# Altium PCB ESP32_Demo.PcbDoc (part 3 of 7)
Units mil, origin at the board's own origin, x right, y up, seen from the top; angles counter-clockwise.
Board outline 940.03 x 1085.03 mil, 4 copper layers (TOP1, GND02, MidLayer3, BOTTOM4); 39 components, 58 nets, 242 pads, 201 vias.
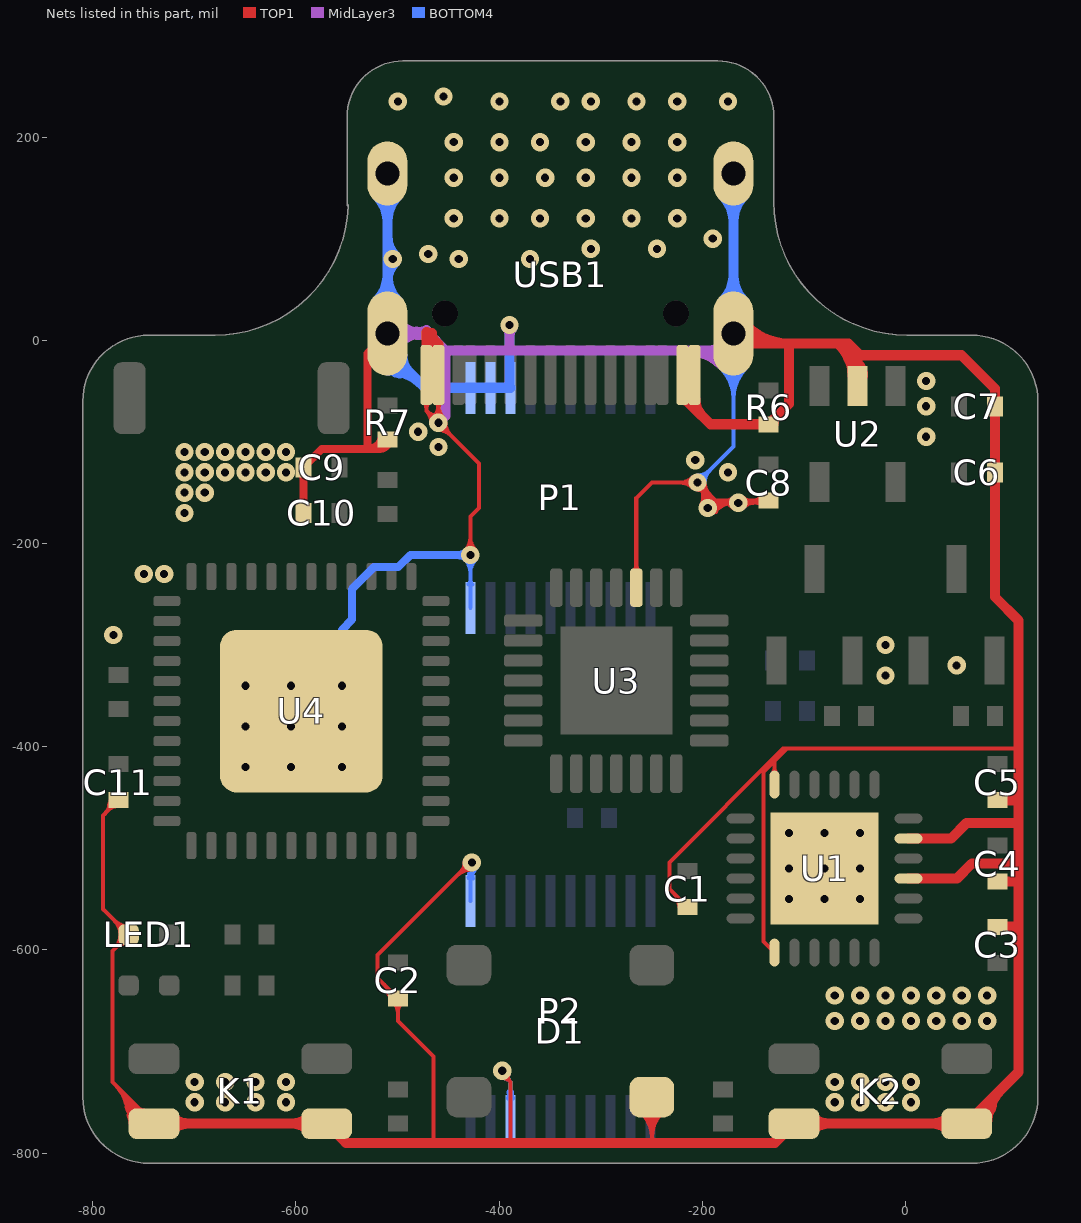
[diagram p5: the nets of this part, all layers, seen from the top]

## Via types
v1: diameter 18, hole 8, TOP1 to BOTTOM4, tented both sides, 201 vias

## Nets (pads, with @x,y where several pads share a name; then routed paths per layer and width w, separated by ;. In a path a pad name is that pad's centre, name@x,y a point inside that pad or via, vN(x,y) a via of type N, cw(c..) or ccw(c..) an arc to the next point about the centre after c; other vN are vias at no path point) (continued)
GND: C1.1 C2.2 C3.1 C4.2 C5.2 C6.1 C7.1 C8.2 C9.1 C10.1 C11.1 D1.3 K1.1 K1.3 K2.1 K2.3 LED1.2 P1.10 P1.11 P1.12 P1.13 P2.8 P2.11 R6.2 R7.2 U1. U1.1 U1.9 U1.11 U1.18 U2.2 U3.3 U4.49 USB1.1 USB1.2 USB1.3 USB1.4 USB1.A1 USB1.A12 USB1.B1 USB1.B12 | length 23851.7
  TOP1 w4: C11.1@-774.77,-452.72 -789.77,-467.72 -789.77,-560 LED1.2@-764.77,-585 ; K1.3@-739.77,-771 -780.77,-730 -780.77,-601 LED1.2@-764.77,-585 ; USB1.A12@-471.66,-34.21 -471.66,-69.42 ; v1@-466.85,-81.18 ccw(c-483.28,-81.04) -471.66,-69.42 ; v1@-464.8,-76.29 ccw(c-476.75,-64.34) -459.85,-64.34 ccw(c-442.95,-64.34) v1@-454.9,-76.29 ; -464.77,-785 -464.77,-705 -499.78,-670 C2.2@-499.78,-647.71 -519.77,-627.72 -519.77,-605.06 -428.36,-513.64 -428.05,-513.94 v1(-426.89,-513.94) ; v1@-459.91,-74.24 cw(c-460.05,-57.81) -471.66,-69.42 ; v1@-459.85,-88.24 cw(c-459.85,-105.13) -447.9,-93.18 cw(c-435.95,-81.24) v1@-452.85,-81.24 ; USB1.B1@-459.85,-34.21 v1(-459.85,-81.24) ; -441.86,-527.14 cw(c-426.89,-542.12) v1@-426.89,-520.94 ; -437.58,-522.87 ccw(c-446.51,-513.94) v1@-433.89,-513.94 ; -435.03,-520.32 cw(c-426.89,-528.46) v1@-426.89,-516.94 ; v1@-433.3,-206.47 ccw(c-445.25,-194.52) -428.35,-194.52 ccw(c-411.46,-194.52) v1@-423.41,-206.47 ; v1(-428.35,-211.42) -428.35,-173.58 -419.77,-165 -419.77,-121.31 v1(-459.85,-81.24) ; v1@-397,-726 cw(c-397,-735.27) -390.45,-728.71 ; v1(-397,-719) -397,-722.16 -388.98,-730.18 ; v1@-390.58,-721.79 ccw(c-383.62,-724.81) -388.99,-730.18 ; -388.98,-789.21 -388.98,-730.18 ; U3.3@-265.09,-243.5 -265.09,-155.32 -249.77,-140 v1(-204.77,-140) ; D1.3@-249.77,-745 -249.77,-785 ; -244.77,-790 -249.77,-785 ; C1.1@-214.77,-557.72 -232.53,-539.96 -232.53,-513.85 -120.52,-401.84 -116.61,-401.84 ; v1@-209.72,-144.95 ccw(c-221.67,-156.9) -221.67,-140 ccw(c-221.67,-123.1) v1@-209.72,-135.05 ; v1@-204.99,-147 cw(c-205.34,-157.88) -195.91,-152.43 ; v1@-204.77,-147 cw(c-204.77,-163.9) -192.82,-151.95 ; v1@-203.52,-146.89 cw(c-202.88,-150.38) -199.8,-148.61 cw(c-196.73,-146.83) v1@-199.44,-144.53 ; v1@-201.07,-161.95 ccw(c-218.35,-153.57) v1(-204.77,-140) ; v1@-200.8,-143.98 cw(c-212.99,-156.17) v1@-197.47,-163.69 ; v1@-198.01,-141.81 ccw(c-186.49,-144.9) -196.82,-150.86 ; v1@-197.77,-140 ccw(c-180.87,-140) -192.82,-151.95 ; -196.82,-147.95 cw(c-207.63,-158.77) v1@-193.87,-165.44 ; v1@-195.48,-164.29 cw(c-179.59,-180.18) -179.59,-157.71 ; v1@-192.65,-167.12 cw(c-169.94,-189.83) v1@-169.94,-157.71 ; v1@-190.27,-167.18 ccw(c-202.28,-161.36) -192.84,-151.93 ; v1@-189.82,-169.95 cw(c-160.28,-199.49) v1@-160.28,-157.71 ; -188.87,-155.9 cw(c-196.92,-163.96) -186.67,-168.93 ; -177.46,-157.71 cw(c-177.46,-172.58) v1@-166.9,-162.11 ; -176.15,-157.71 ccw(c-176.15,-148.62) v1@-169.72,-155.05 ; v1@-169.74,-164.93 ccw(c-187.06,-182.1) -187.06,-157.71 ; v1@-162.65,-162.12 cw(c-152.01,-172.76) -152.01,-157.71 ; v1@-159.82,-164.95 cw(c-142.35,-182.42) C8.2@-142.35,-157.71 ; v1@-159.82,-155.05 ccw(c-153.39,-148.62) -153.39,-157.71 ; -152.28,-160.37 cw(c-148.5,-174.47) C8.2@-140.12,-162.52 ; -147.43,-159.07 ccw(c-149.82,-150.16) C8.2@-141.83,-154.78 ; C8.2@-134.78,-157.71 -187.06,-157.71 ; U1.1@-128.98,-602.68 -139.77,-591.89 -139.77,-425 -128.98,-414.21 ; U1.18@-128.98,-437.32 -128.98,-414.21 ; 109.39,-401.84 -116.61,-401.84 ; -788.16,-466.1 ccw(c-801.55,-452.72) C11.1@-782.61,-452.72 ; -788.16,-466.1 ccw(c-801.55,-452.72) C11.1@-782.61,-452.72 ; -788.16,-466.1 ccw(c-801.55,-452.72) C11.1@-782.61,-452.72 ; -788.16,-466.1 ccw(c-801.55,-452.72) C11.1@-782.61,-452.72 ; -788.16,-466.1 ccw(c-801.55,-452.72) C11.1@-782.61,-452.72 ; -788.16,-466.1 ccw(c-801.55,-452.72) C11.1@-782.61,-452.72 ; C11.1@-783.9,-457.52 cw(c-774.39,-460.07) C11.1@-777.39,-450.69 ; C11.1@-783.9,-457.52 cw(c-774.39,-460.07) C11.1@-777.39,-450.69 ; C11.1@-783.9,-457.52 cw(c-774.39,-460.07) C11.1@-777.39,-450.69 ; C11.1@-783.9,-457.52 cw(c-774.39,-460.07) C11.1@-777.39,-450.69 ; C11.1@-783.9,-457.52 cw(c-774.39,-460.07) C11.1@-777.39,-450.69 ; C11.1@-783.9,-457.52 cw(c-774.39,-460.07) C11.1@-777.39,-450.69 ; C11.1@-783.9,-457.52 cw(c-774.39,-460.07) C11.1@-777.39,-450.69 ; C11.1@-783.9,-457.52 cw(c-774.39,-460.07) C11.1@-777.39,-450.69 ; C11.1@-783.9,-457.52 cw(c-774.39,-460.07) C11.1@-777.39,-450.69 ; C11.1@-783.9,-457.52 cw(c-774.39,-460.07) C11.1@-777.39,-450.69 ; C11.1@-783.9,-457.52 cw(c-774.39,-460.07) C11.1@-777.39,-450.69 ; C11.1@-783.9,-457.52 cw(c-774.39,-460.07) C11.1@-777.39,-450.69 ; C11.1@-783.9,-457.52 cw(c-774.39,-460.07) C11.1@-777.39,-450.69 ; C11.1@-783.9,-457.52 cw(c-774.39,-460.07) C11.1@-777.39,-450.69 ; C11.1@-783.9,-457.52 cw(c-774.39,-460.07) C11.1@-777.39,-450.69 ; -783.41,-461.35 cw(c-776.74,-468.02) C11.1@-776.74,-458.59 ; -783.41,-461.35 cw(c-776.74,-468.02) C11.1@-776.74,-458.59 ; -783.41,-461.35 cw(c-776.74,-468.02) C11.1@-776.74,-458.59 ; -783.41,-461.35 cw(c-776.74,-468.02) C11.1@-776.74,-458.59 ; -783.41,-461.35 cw(c-776.74,-468.02) C11.1@-776.74,-458.59 ; -783.41,-461.35 cw(c-776.74,-468.02) C11.1@-776.74,-458.59 ; C11.1@-781.33,-459.28 ccw(c-787.89,-452.72) C11.1@-778.61,-452.72 ; C11.1@-781.33,-459.28 ccw(c-787.89,-452.72) C11.1@-778.61,-452.72 ; C11.1@-781.33,-459.28 ccw(c-787.89,-452.72) C11.1@-778.61,-452.72 ; C11.1@-781.33,-459.28 ccw(c-787.89,-452.72) C11.1@-778.61,-452.72 ; C11.1@-781.33,-459.28 ccw(c-787.89,-452.72) C11.1@-778.61,-452.72 ; C11.1@-781.33,-459.28 ccw(c-787.89,-452.72) C11.1@-778.61,-452.72 ; -779.04,-731.74 cw(c-818.3,-771) K1.3@-762.77,-771 ; -779.04,-731.74 cw(c-818.3,-771) K1.3@-762.77,-771 ; -779.04,-731.74 cw(c-818.3,-771) K1.3@-762.77,-771 ; -779.04,-731.74 cw(c-818.3,-771) K1.3@-762.77,-771 ; -779.04,-731.74 cw(c-818.3,-771) K1.3@-762.77,-771 ; -779.04,-731.74 cw(c-818.3,-771) K1.3@-762.77,-771 ; -778.43,-598.66 cw(c-764.77,-612.31) LED1.2@-764.77,-593 ; -778.43,-598.66 ccw(c-792.09,-585) LED1.2@-772.77,-585 ; -778.43,-598.66 cw(c-764.77,-612.31) LED1.2@-764.77,-593 ; -778.43,-598.66 ccw(c-792.09,-585) LED1.2@-772.77,-585 ; -778.43,-598.66 cw(c-764.77,-612.31) LED1.2@-764.77,-593 ; -778.43,-598.66 ccw(c-792.09,-585) LED1.2@-772.77,-585 ; -778.43,-598.66 cw(c-764.77,-612.31) LED1.2@-764.77,-593 ; -778.43,-598.66 ccw(c-792.09,-585) LED1.2@-772.77,-585 ; -778.43,-598.66 cw(c-764.77,-612.31) LED1.2@-764.77,-593 ; -778.43,-598.66 ccw(c-792.09,-585) LED1.2@-772.77,-585 ; -778.43,-598.66 ccw(c-792.09,-585) LED1.2@-772.77,-585 ; -778.43,-598.66 cw(c-764.77,-612.31) LED1.2@-764.77,-593 ; -778.43,-571.34 cw(c-792.09,-585) LED1.2@-772.77,-585 ; -778.43,-571.34 ccw(c-764.77,-557.69) LED1.2@-764.77,-577 ; -778.43,-571.34 cw(c-792.09,-585) LED1.2@-772.77,-585 ; -778.43,-571.34 ccw(c-764.77,-557.69) LED1.2@-764.77,-577 ; -778.43,-571.34 cw(c-792.09,-585) LED1.2@-772.77,-585 ; -778.43,-571.34 ccw(c-764.77,-557.69) LED1.2@-764.77,-577 ; -778.43,-571.34 cw(c-792.09,-585) LED1.2@-772.77,-585 ; -778.43,-571.34 ccw(c-764.77,-557.69) LED1.2@-764.77,-577 ; -778.43,-571.34 cw(c-792.09,-585) LED1.2@-772.77,-585 ; -778.43,-571.34 ccw(c-764.77,-557.69) LED1.2@-764.77,-577 ; -778.43,-571.34 ccw(c-764.77,-557.69) LED1.2@-764.77,-577 ; -778.43,-571.34 cw(c-792.09,-585) LED1.2@-772.77,-585 ; -775.47,-595.08 cw(c-761.97,-598.7) LED1.2@-764.77,-585 ; -775.47,-595.08 cw(c-761.97,-598.7) LED1.2@-764.77,-585 ; -775.47,-595.08 cw(c-761.97,-598.7) LED1.2@-764.77,-585 ; -775.47,-595.08 cw(c-761.97,-598.7) LED1.2@-764.77,-585 ; -775.47,-595.08 cw(c-761.97,-598.7) LED1.2@-764.77,-585 ; -775.47,-595.08 cw(c-761.97,-598.7) LED1.2@-764.77,-585 ; -775.47,-595.08 cw(c-761.97,-598.7) LED1.2@-764.77,-585 ; -775.47,-595.08 cw(c-761.97,-598.7) LED1.2@-764.77,-585 ; -775.47,-595.08 cw(c-761.97,-598.7) LED1.2@-764.77,-585 ; -775.47,-595.08 cw(c-761.97,-598.7) LED1.2@-764.77,-585 ; -775.47,-595.08 cw(c-761.97,-598.7) LED1.2@-764.77,-585 ; -775.47,-595.08 cw(c-761.97,-598.7) LED1.2@-764.77,-585 ; -775.47,-595.08 cw(c-761.97,-598.7) LED1.2@-764.77,-585 ; -775.47,-595.08 cw(c-761.97,-598.7) LED1.2@-764.77,-585 ; -775.47,-595.08 cw(c-761.97,-598.7) LED1.2@-764.77,-585 ; -775.47,-574.92 ccw(c-761.97,-571.3) LED1.2@-764.77,-585 ; -775.47,-574.92 ccw(c-761.97,-571.3) LED1.2@-764.77,-585 ; -775.47,-574.92 ccw(c-761.97,-571.3) LED1.2@-764.77,-585 ; -775.47,-574.92 ccw(c-761.97,-571.3) LED1.2@-764.77,-585 ; -775.47,-574.92 ccw(c-761.97,-571.3) LED1.2@-764.77,-585 ; -775.47,-574.92 ccw(c-761.97,-571.3) LED1.2@-764.77,-585 ; -775.47,-574.92 ccw(c-761.97,-571.3) LED1.2@-764.77,-585 ; -775.47,-574.92 ccw(c-761.97,-571.3) LED1.2@-764.77,-585 ; -775.47,-574.92 ccw(c-761.97,-571.3) LED1.2@-764.77,-585 ; -775.47,-574.92 ccw(c-761.97,-571.3) LED1.2@-764.77,-585 ; -775.47,-574.92 ccw(c-761.97,-571.3) LED1.2@-764.77,-585 ; -775.47,-574.92 ccw(c-761.97,-571.3) LED1.2@-764.77,-585 ; -775.47,-574.92 ccw(c-761.97,-571.3) LED1.2@-764.77,-585 ; -775.47,-574.92 ccw(c-761.97,-571.3) LED1.2@-764.77,-585 ; -775.47,-574.92 ccw(c-761.97,-571.3) LED1.2@-764.77,-585 ; -774.85,-595.7 ccw(c-778.47,-582.19) LED1.2@-764.77,-585 ; -774.85,-595.7 ccw(c-778.47,-582.19) LED1.2@-764.77,-585 ; -774.85,-595.7 ccw(c-778.47,-582.19) LED1.2@-764.77,-585 ; -774.85,-595.7 ccw(c-778.47,-582.19) LED1.2@-764.77,-585 ; -774.85,-595.7 ccw(c-778.47,-582.19) LED1.2@-764.77,-585 ; -774.85,-595.7 ccw(c-778.47,-582.19) LED1.2@-764.77,-585 ; -774.85,-595.7 ccw(c-778.47,-582.19) LED1.2@-764.77,-585 ; -774.85,-595.7 ccw(c-778.47,-582.19) LED1.2@-764.77,-585 ; -774.85,-595.7 ccw(c-778.47,-582.19) LED1.2@-764.77,-585 ; -774.85,-595.7 ccw(c-778.47,-582.19) LED1.2@-764.77,-585 ; -774.85,-595.7 ccw(c-778.47,-582.19) LED1.2@-764.77,-585 ; -774.85,-595.7 ccw(c-778.47,-582.19) LED1.2@-764.77,-585 ; -774.85,-595.7 ccw(c-778.47,-582.19) LED1.2@-764.77,-585 ; -774.85,-595.7 ccw(c-778.47,-582.19) LED1.2@-764.77,-585 ; -774.85,-595.7 ccw(c-778.47,-582.19) LED1.2@-764.77,-585 ; -774.85,-574.3 cw(c-778.47,-587.81) LED1.2@-764.77,-585 ; -774.85,-574.3 cw(c-778.47,-587.81) LED1.2@-764.77,-585 ; -774.85,-574.3 cw(c-778.47,-587.81) LED1.2@-764.77,-585 ; -774.85,-574.3 cw(c-778.47,-587.81) LED1.2@-764.77,-585 ; -774.85,-574.3 cw(c-778.47,-587.81) LED1.2@-764.77,-585 ; -774.85,-574.3 cw(c-778.47,-587.81) LED1.2@-764.77,-585 ; -774.85,-574.3 cw(c-778.47,-587.81) LED1.2@-764.77,-585 ; -774.85,-574.3 cw(c-778.47,-587.81) LED1.2@-764.77,-585 ; -774.85,-574.3 cw(c-778.47,-587.81) LED1.2@-764.77,-585 ; -774.85,-574.3 cw(c-778.47,-587.81) LED1.2@-764.77,-585 ; -774.85,-574.3 cw(c-778.47,-587.81) LED1.2@-764.77,-585 ; -774.85,-574.3 cw(c-778.47,-587.81) LED1.2@-764.77,-585 ; -774.85,-574.3 cw(c-778.47,-587.81) LED1.2@-764.77,-585 ; -774.85,-574.3 cw(c-778.47,-587.81) LED1.2@-764.77,-585 ; -774.85,-574.3 cw(c-778.47,-587.81) LED1.2@-764.77,-585 ; -772.21,-738.56 cw(c-804.64,-771) K1.3@-758.77,-771 ; -772.21,-738.56 cw(c-804.64,-771) K1.3@-758.77,-771 ; -772.21,-738.56 cw(c-804.64,-771) K1.3@-758.77,-771 ; -772.21,-738.56 cw(c-804.64,-771) K1.3@-758.77,-771 ; -772.21,-738.56 cw(c-804.64,-771) K1.3@-758.77,-771 ; -772.21,-738.56 cw(c-804.64,-771) K1.3@-758.77,-771 ; -768.93,-746.35 ccw(c-734.23,-737.69) K1.3@-749.35,-770.09 ; -768.93,-746.35 ccw(c-734.23,-737.69) K1.3@-749.35,-770.09 ; -768.93,-746.35 ccw(c-734.23,-737.69) K1.3@-749.35,-770.09 ; -768.93,-746.35 ccw(c-734.23,-737.69) K1.3@-749.35,-770.09 ; -768.93,-746.35 ccw(c-734.23,-737.69) K1.3@-749.35,-770.09 ; -768.93,-746.35 ccw(c-734.23,-737.69) K1.3@-749.35,-770.09 ; -768.93,-746.35 ccw(c-734.23,-737.69) K1.3@-749.35,-770.09 ; -768.93,-746.35 ccw(c-734.23,-737.69) K1.3@-749.35,-770.09 ; -768.93,-746.35 ccw(c-734.23,-737.69) K1.3@-749.35,-770.09 ; -768.93,-746.35 ccw(c-734.23,-737.69) K1.3@-749.35,-770.09 ; -768.93,-746.35 ccw(c-734.23,-737.69) K1.3@-749.35,-770.09 ; -768.93,-746.35 ccw(c-734.23,-737.69) K1.3@-749.35,-770.09 ; -768.93,-746.35 ccw(c-734.23,-737.69) K1.3@-749.35,-770.09 ; -768.93,-746.35 ccw(c-734.23,-737.69) K1.3@-749.35,-770.09 ; -768.93,-746.35 ccw(c-734.23,-737.69) K1.3@-749.35,-770.09 ; -766.89,-754.49 ccw(c-738.8,-747.47) K1.3@-751.04,-773.72 ; -766.89,-754.49 ccw(c-738.8,-747.47) K1.3@-751.04,-773.72 ; -766.89,-754.49 ccw(c-738.8,-747.47) K1.3@-751.04,-773.72 ; -766.89,-754.49 ccw(c-738.8,-747.47) K1.3@-751.04,-773.72 ; -766.89,-754.49 ccw(c-738.8,-747.47) K1.3@-751.04,-773.72 ; -766.89,-754.49 ccw(c-738.8,-747.47) K1.3@-751.04,-773.72 ; -766.89,-754.49 ccw(c-738.8,-747.47) K1.3@-751.04,-773.72 ; -766.89,-754.49 ccw(c-738.8,-747.47) K1.3@-751.04,-773.72 ; -766.89,-754.49 ccw(c-738.8,-747.47) K1.3@-751.04,-773.72 ; -766.89,-754.49 ccw(c-738.8,-747.47) K1.3@-751.04,-773.72 ; -766.89,-754.49 ccw(c-738.8,-747.47) K1.3@-751.04,-773.72 ; -766.89,-754.49 ccw(c-738.8,-747.47) K1.3@-751.04,-773.72 ; -766.89,-754.49 ccw(c-738.8,-747.47) K1.3@-751.04,-773.72 ; -766.89,-754.49 ccw(c-738.8,-747.47) K1.3@-751.04,-773.72 ; -766.89,-754.49 ccw(c-738.8,-747.47) K1.3@-751.04,-773.72 ; -765.38,-745.39 cw(c-790.99,-771) K1.3@-754.77,-771 ; -765.38,-745.39 cw(c-790.99,-771) K1.3@-754.77,-771 ; -765.38,-745.39 cw(c-790.99,-771) K1.3@-754.77,-771 ; -765.38,-745.39 cw(c-790.99,-771) K1.3@-754.77,-771 ; -765.38,-745.39 cw(c-790.99,-771) K1.3@-754.77,-771 ; -765.38,-745.39 cw(c-790.99,-771) K1.3@-754.77,-771 ; -764.86,-762.63 ccw(c-743.36,-757.26) K1.3@-752.73,-777.34 ; -764.86,-762.63 ccw(c-743.36,-757.26) K1.3@-752.73,-777.34 ; -764.86,-762.63 ccw(c-743.36,-757.26) K1.3@-752.73,-777.34 ; -764.86,-762.63 ccw(c-743.36,-757.26) K1.3@-752.73,-777.34 ; -764.86,-762.63 ccw(c-743.36,-757.26) K1.3@-752.73,-777.34 ; -764.86,-762.63 ccw(c-743.36,-757.26) K1.3@-752.73,-777.34 ; -764.86,-762.63 ccw(c-743.36,-757.26) K1.3@-752.73,-777.34 ; -764.86,-762.63 ccw(c-743.36,-757.26) K1.3@-752.73,-777.34 ; -764.86,-762.63 ccw(c-743.36,-757.26) K1.3@-752.73,-777.34 ; -764.86,-762.63 ccw(c-743.36,-757.26) K1.3@-752.73,-777.34 ; -764.86,-762.63 ccw(c-743.36,-757.26) K1.3@-752.73,-777.34 ; -764.86,-762.63 ccw(c-743.36,-757.26) K1.3@-752.73,-777.34 ; -764.86,-762.63 ccw(c-743.36,-757.26) K1.3@-752.73,-777.34 ; -764.86,-762.63 ccw(c-743.36,-757.26) K1.3@-752.73,-777.34 ; -764.86,-762.63 ccw(c-743.36,-757.26) K1.3@-752.73,-777.34 ; -764.89,-748.17 ccw(c-739.33,-741.33) K1.3@-748.11,-766.28 ; -764.89,-748.17 ccw(c-739.33,-741.33) K1.3@-748.11,-766.28 ; -764.89,-748.17 ccw(c-739.33,-741.33) K1.3@-748.11,-766.28 ; -764.89,-748.17 ccw(c-739.33,-741.33) K1.3@-748.11,-766.28 ; -764.89,-748.17 ccw(c-739.33,-741.33) K1.3@-748.11,-766.28 ; -764.89,-748.17 ccw(c-739.33,-741.33) K1.3@-748.11,-766.28 ; -764.89,-748.17 ccw(c-739.33,-741.33) K1.3@-748.11,-766.28 ; -764.89,-748.17 ccw(c-739.33,-741.33) K1.3@-748.11,-766.28 ; -764.89,-748.17 ccw(c-739.33,-741.33) K1.3@-748.11,-766.28 ; -764.89,-748.17 ccw(c-739.33,-741.33) K1.3@-748.11,-766.28 ; -764.89,-748.17 ccw(c-739.33,-741.33) K1.3@-748.11,-766.28 ; -764.89,-748.17 ccw(c-739.33,-741.33) K1.3@-748.11,-766.28 ; -764.89,-748.17 ccw(c-739.33,-741.33) K1.3@-748.11,-766.28 ; -764.89,-748.17 ccw(c-739.33,-741.33) K1.3@-748.11,-766.28 ; -764.89,-748.17 ccw(c-739.33,-741.33) K1.3@-748.11,-766.28 ; -763.66,-758.08 cw(c-768.05,-763.31) K1.3@-761.76,-765.96 ; -763.66,-758.08 ccw(c-758.57,-752.02) K1.3@-755.24,-759.2 ; -763.66,-758.08 cw(c-768.05,-763.31) K1.3@-761.76,-765.96 ; -763.66,-758.08 ccw(c-758.57,-752.02) K1.3@-755.24,-759.2 ; -763.66,-758.08 cw(c-768.05,-763.31) K1.3@-761.76,-765.96 ; -763.66,-758.08 ccw(c-758.57,-752.02) K1.3@-755.24,-759.2 ; -763.66,-758.08 cw(c-768.05,-763.31) K1.3@-761.76,-765.96 ; -763.66,-758.08 ccw(c-758.57,-752.02) K1.3@-755.24,-759.2 ; -763.66,-758.08 cw(c-768.05,-763.31) K1.3@-761.76,-765.96 ; -763.66,-758.08 ccw(c-758.57,-752.02) K1.3@-755.24,-759.2 ; -763.66,-758.08 cw(c-768.05,-763.31) K1.3@-761.76,-765.96 ; -763.66,-758.08 ccw(c-758.57,-752.02) K1.3@-755.24,-759.2 ; -763.66,-758.08 cw(c-768.05,-763.31) K1.3@-761.76,-765.96 ; -763.66,-758.08 ccw(c-758.57,-752.02) K1.3@-755.24,-759.2 ; -763.66,-758.08 cw(c-768.05,-763.31) K1.3@-761.76,-765.96 ; -763.66,-758.08 ccw(c-758.57,-752.02) K1.3@-755.24,-759.2 ; -763.66,-758.08 cw(c-768.05,-763.31) K1.3@-761.76,-765.96 ; -763.66,-758.08 ccw(c-758.57,-752.02) K1.3@-755.24,-759.2 ; -763.66,-758.08 cw(c-768.05,-763.31) K1.3@-761.76,-765.96 ; -763.66,-758.08 ccw(c-758.57,-752.02) K1.3@-755.24,-759.2 ; -763.66,-758.08 cw(c-768.05,-763.31) K1.3@-761.76,-765.96 ; -763.66,-758.08 ccw(c-758.57,-752.02) K1.3@-755.24,-759.2 ; -763.66,-758.08 cw(c-768.05,-763.31) K1.3@-761.76,-765.96 ; -763.66,-758.08 ccw(c-758.57,-752.02) K1.3@-755.24,-759.2 ; -763.66,-758.08 cw(c-768.05,-763.31) K1.3@-761.76,-765.96 ; -763.66,-758.08 ccw(c-758.57,-752.02) K1.3@-755.24,-759.2 ; -763.66,-758.08 cw(c-768.05,-763.31) K1.3@-761.76,-765.96 ; -763.66,-758.08 ccw(c-758.57,-752.02) K1.3@-755.24,-759.2 ; -763.66,-758.08 cw(c-768.05,-763.31) K1.3@-761.76,-765.96 ; -763.66,-758.08 ccw(c-758.57,-752.02) K1.3@-755.24,-759.2 ; -763.66,-758.08 cw(c-768.05,-763.31) K1.3@-761.76,-765.96 ; -763.66,-758.08 ccw(c-758.57,-752.02) K1.3@-755.24,-759.2 ; -763.66,-758.08 cw(c-768.05,-763.31) K1.3@-761.76,-765.96 ; -763.66,-758.08 ccw(c-758.57,-752.02) K1.3@-755.24,-759.2 ; -763.66,-758.08 cw(c-768.05,-763.31) K1.3@-761.76,-765.96 ; -763.66,-758.08 ccw(c-758.57,-752.02) K1.3@-755.24,-759.2 ; -763.66,-758.08 cw(c-768.05,-763.31) K1.3@-761.76,-765.96 ; -763.66,-758.08 ccw(c-758.57,-752.02) K1.3@-755.24,-759.2 ; -763.66,-758.08 cw(c-768.05,-763.31) K1.3@-761.76,-765.96 ; -763.66,-758.08 ccw(c-758.57,-752.02) K1.3@-755.24,-759.2 ; -762.93,-755.5 ccw(c-742.38,-749.99) K1.3@-749.44,-770.06 ; -762.93,-755.5 ccw(c-742.38,-749.99) K1.3@-749.44,-770.06 ; -762.93,-755.5 ccw(c-742.38,-749.99) K1.3@-749.44,-770.06 ; -762.93,-755.5 ccw(c-742.38,-749.99) K1.3@-749.44,-770.06 ; -762.93,-755.5 ccw(c-742.38,-749.99) K1.3@-749.44,-770.06 ; -762.93,-755.5 ccw(c-742.38,-749.99) K1.3@-749.44,-770.06 ; -762.93,-755.5 ccw(c-742.38,-749.99) K1.3@-749.44,-770.06 ; -762.93,-755.5 ccw(c-742.38,-749.99) K1.3@-749.44,-770.06 ; -762.93,-755.5 ccw(c-742.38,-749.99) K1.3@-749.44,-770.06 ; -762.93,-755.5 ccw(c-742.38,-749.99) K1.3@-749.44,-770.06 ; -762.93,-755.5 ccw(c-742.38,-749.99) K1.3@-749.44,-770.06 ; -762.93,-755.5 ccw(c-742.38,-749.99) K1.3@-749.44,-770.06 ; -762.93,-755.5 ccw(c-742.38,-749.99) K1.3@-749.44,-770.06 ; -762.93,-755.5 ccw(c-742.38,-749.99) K1.3@-749.44,-770.06 ; -762.93,-755.5 ccw(c-742.38,-749.99) K1.3@-749.44,-770.06 ; K1.3@-761.03,-764.5 ccw(c-773.93,-757.05) -759.54,-753.2 ; K1.3@-761.03,-764.5 ccw(c-773.93,-757.05) -759.54,-753.2 ; K1.3@-761.03,-764.5 ccw(c-773.93,-757.05) -759.54,-753.2 ; K1.3@-761.03,-764.5 ccw(c-773.93,-757.05) -759.54,-753.2 ; K1.3@-761.03,-764.5 ccw(c-773.93,-757.05) -759.54,-753.2 ; K1.3@-761.03,-764.5 ccw(c-773.93,-757.05) -759.54,-753.2 ; K1.3@-761.03,-764.5 ccw(c-773.93,-757.05) -759.54,-753.2 ; K1.3@-761.03,-764.5 ccw(c-773.93,-757.05) -759.54,-753.2 ; K1.3@-761.03,-764.5 ccw(c-773.93,-757.05) -759.54,-753.2 ; K1.3@-761.03,-764.5 ccw(c-773.93,-757.05) -759.54,-753.2 ; K1.3@-761.03,-764.5 ccw(c-773.93,-757.05) -759.54,-753.2 ; K1.3@-761.03,-764.5 ccw(c-773.93,-757.05) -759.54,-753.2 ; K1.3@-761.03,-764.5 ccw(c-773.93,-757.05) -759.54,-753.2 ; K1.3@-761.03,-764.5 ccw(c-773.93,-757.05) -759.54,-753.2 ; K1.3@-761.03,-764.5 ccw(c-773.93,-757.05) -759.54,-753.2 ; -760.14,-750.97 ccw(c-745.2,-746.97) K1.3@-748.09,-762.16 ; -760.14,-750.97 ccw(c-745.2,-746.97) K1.3@-748.09,-762.16 ; -760.14,-750.97 ccw(c-745.2,-746.97) K1.3@-748.09,-762.16 ; -760.14,-750.97 ccw(c-745.2,-746.97) K1.3@-748.09,-762.16 ; -760.14,-750.97 ccw(c-745.2,-746.97) K1.3@-748.09,-762.16 ; -760.14,-750.97 ccw(c-745.2,-746.97) K1.3@-748.09,-762.16 ; -760.14,-750.97 ccw(c-745.2,-746.97) K1.3@-748.09,-762.16 ; -760.14,-750.97 ccw(c-745.2,-746.97) K1.3@-748.09,-762.16 ; -760.14,-750.97 ccw(c-745.2,-746.97) K1.3@-748.09,-762.16 ; -760.14,-750.97 ccw(c-745.2,-746.97) K1.3@-748.09,-762.16 ; -760.14,-750.97 ccw(c-745.2,-746.97) K1.3@-748.09,-762.16 ; -760.14,-750.97 ccw(c-745.2,-746.97) K1.3@-748.09,-762.16 ; -760.14,-750.97 ccw(c-745.2,-746.97) K1.3@-748.09,-762.16 ; -760.14,-750.97 ccw(c-745.2,-746.97) K1.3@-748.09,-762.16 ; -760.14,-750.97 ccw(c-745.2,-746.97) K1.3@-748.09,-762.16 ; -758.55,-752.22 cw(c-777.33,-771) K1.3@-750.77,-771 ; -758.55,-752.22 cw(c-777.33,-771) K1.3@-750.77,-771 ; -758.55,-752.22 cw(c-777.33,-771) K1.3@-750.77,-771 ; -758.55,-752.22 cw(c-777.33,-771) K1.3@-750.77,-771 ; -758.55,-752.22 cw(c-777.33,-771) K1.3@-750.77,-771 ; -758.55,-752.22 cw(c-777.33,-771) K1.3@-750.77,-771 ; K1.3@-758.49,-757.12 ccw(c-746.52,-753.92) K1.3@-748.84,-766.09 ; K1.3@-758.49,-757.12 ccw(c-746.52,-753.92) K1.3@-748.84,-766.09 ; K1.3@-758.49,-757.12 ccw(c-746.52,-753.92) K1.3@-748.84,-766.09 ; K1.3@-758.49,-757.12 ccw(c-746.52,-753.92) K1.3@-748.84,-766.09 ; K1.3@-758.49,-757.12 ccw(c-746.52,-753.92) K1.3@-748.84,-766.09 ; K1.3@-758.49,-757.12 ccw(c-746.52,-753.92) K1.3@-748.84,-766.09 ; K1.3@-758.49,-757.12 ccw(c-746.52,-753.92) K1.3@-748.84,-766.09 ; K1.3@-758.49,-757.12 ccw(c-746.52,-753.92) K1.3@-748.84,-766.09 ; K1.3@-758.49,-757.12 ccw(c-746.52,-753.92) K1.3@-748.84,-766.09 ; K1.3@-758.49,-757.12 ccw(c-746.52,-753.92) K1.3@-748.84,-766.09 ; K1.3@-758.49,-757.12 ccw(c-746.52,-753.92) K1.3@-748.84,-766.09 ; K1.3@-758.49,-757.12 ccw(c-746.52,-753.92) K1.3@-748.84,-766.09 ; K1.3@-758.49,-757.12 ccw(c-746.52,-753.92) K1.3@-748.84,-766.09 ; K1.3@-758.49,-757.12 ccw(c-746.52,-753.92) K1.3@-748.84,-766.09 ; K1.3@-758.49,-757.12 ccw(c-746.52,-753.92) K1.3@-748.84,-766.09 ; -754.89,-755.88 ccw(c-749.77,-750.76) K1.3@-749.77,-758 ; -754.89,-755.88 ccw(c-749.77,-750.76) K1.3@-749.77,-758 ; -754.89,-755.88 ccw(c-749.77,-750.76) K1.3@-749.77,-758 ; -754.89,-755.88 ccw(c-749.77,-750.76) K1.3@-749.77,-758 ; -754.89,-755.88 ccw(c-749.77,-750.76) K1.3@-749.77,-758 ; -754.89,-755.88 ccw(c-749.77,-750.76) K1.3@-749.77,-758 ; -513.16,-634.33 cw(c-526.55,-647.71) C2.2@-507.62,-647.71 ; -513.16,-634.33 cw(c-526.55,-647.71) C2.2@-507.62,-647.71 ; -513.16,-634.33 cw(c-526.55,-647.71) C2.2@-507.62,-647.71 ; -513.16,-634.33 cw(c-526.55,-647.71) C2.2@-507.62,-647.71 ; -513.16,-634.33 cw(c-526.55,-647.71) C2.2@-507.62,-647.71 ; -513.16,-634.33 cw(c-526.55,-647.71) C2.2@-507.62,-647.71 ; C2.2@-508.91,-642.91 ccw(c-499.39,-640.36) C2.2@-502.39,-649.74 ; C2.2@-508.91,-642.91 ccw(c-499.39,-640.36) C2.2@-502.39,-649.74 ; C2.2@-508.91,-642.91 ccw(c-499.39,-640.36) C2.2@-502.39,-649.74 ; C2.2@-508.91,-642.91 ccw(c-499.39,-640.36) C2.2@-502.39,-649.74 ; C2.2@-508.91,-642.91 ccw(c-499.39,-640.36) C2.2@-502.39,-649.74 ; C2.2@-508.91,-642.91 ccw(c-499.39,-640.36) C2.2@-502.39,-649.74 ; C2.2@-508.91,-642.91 ccw(c-499.39,-640.36) C2.2@-502.39,-649.74 ; C2.2@-508.91,-642.91 ccw(c-499.39,-640.36) C2.2@-502.39,-649.74 ; C2.2@-508.91,-642.91 ccw(c-499.39,-640.36) C2.2@-502.39,-649.74 ; C2.2@-508.91,-642.91 ccw(c-499.39,-640.36) C2.2@-502.39,-649.74 ; C2.2@-508.91,-642.91 ccw(c-499.39,-640.36) C2.2@-502.39,-649.74 ; C2.2@-508.91,-642.91 ccw(c-499.39,-640.36) C2.2@-502.39,-649.74 ; C2.2@-508.91,-642.91 ccw(c-499.39,-640.36) C2.2@-502.39,-649.74 ; C2.2@-508.91,-642.91 ccw(c-499.39,-640.36) C2.2@-502.39,-649.74 ; C2.2@-508.91,-642.91 ccw(c-499.39,-640.36) C2.2@-502.39,-649.74 ; -508.41,-639.08 ccw(c-501.74,-632.41) C2.2@-501.74,-641.84 ; -508.41,-639.08 ccw(c-501.74,-632.41) C2.2@-501.74,-641.84 ; -508.41,-639.08 ccw(c-501.74,-632.41) C2.2@-501.74,-641.84 ; -508.41,-639.08 ccw(c-501.74,-632.41) C2.2@-501.74,-641.84 ; -508.41,-639.08 ccw(c-501.74,-632.41) C2.2@-501.74,-641.84 ; -508.41,-639.08 ccw(c-501.74,-632.41) C2.2@-501.74,-641.84 ; C2.2@-506.34,-641.15 cw(c-512.89,-647.71) C2.2@-503.62,-647.71 ; C2.2@-506.34,-641.15 cw(c-512.89,-647.71) C2.2@-503.62,-647.71 ; C2.2@-506.34,-641.15 cw(c-512.89,-647.71) C2.2@-503.62,-647.71 ; C2.2@-506.34,-641.15 cw(c-512.89,-647.71) C2.2@-503.62,-647.71 ; C2.2@-506.34,-641.15 cw(c-512.89,-647.71) C2.2@-503.62,-647.71 ; C2.2@-506.34,-641.15 cw(c-512.89,-647.71) C2.2@-503.62,-647.71 ; C2.2@-503.93,-651.87 cw(c-513.96,-661.89) -499.78,-661.89 ; C2.2@-503.93,-651.87 cw(c-513.96,-661.89) -499.78,-661.89 ; C2.2@-503.93,-651.87 cw(c-513.96,-661.89) -499.78,-661.89 ; C2.2@-503.93,-651.87 cw(c-513.96,-661.89) -499.78,-661.89 ; C2.2@-503.93,-651.87 cw(c-513.96,-661.89) -499.78,-661.89 ; C2.2@-503.93,-651.87 cw(c-513.96,-661.89) -499.78,-661.89 ; -499.78,-661.89 cw(c-485.59,-661.89) C2.2@-495.62,-651.87 ; -499.78,-661.89 cw(c-485.59,-661.89) C2.2@-495.62,-651.87 ; -499.78,-661.89 cw(c-485.59,-661.89) C2.2@-495.62,-651.87 ; -499.78,-661.89 cw(c-485.59,-661.89) C2.2@-495.62,-651.87 ; -499.78,-661.89 cw(c-485.59,-661.89) C2.2@-495.62,-651.87 ; -499.78,-661.89 cw(c-485.59,-661.89) C2.2@-495.62,-651.87 ; USB1.A12@-474.42,-60.6 cw(c-481.09,-67.26) -471.66,-67.26 ; USB1.A12@-474.42,-60.6 cw(c-481.09,-67.26) -471.66,-67.26 ; USB1.A12@-474.42,-60.6 cw(c-481.09,-67.26) -471.66,-67.26 ; USB1.A12@-474.42,-60.6 cw(c-481.09,-67.26) -471.66,-67.26 ; USB1.A12@-474.42,-60.6 cw(c-481.09,-67.26) -471.66,-67.26 ; USB1.A12@-474.42,-60.6 cw(c-481.09,-67.26) -471.66,-67.26 ; -471.66,-69.42 v1(-459.85,-81.24) ; -471.66,-67.26 cw(c-462.23,-67.26) USB1.A12@-468.9,-60.6 ; -471.66,-67.26 cw(c-462.23,-67.26) USB1.A12@-468.9,-60.6 ; -471.66,-67.26 cw(c-462.23,-67.26) USB1.A12@-468.9,-60.6 ; -471.66,-67.26 cw(c-462.23,-67.26) USB1.A12@-468.9,-60.6 ; -471.66,-67.26 cw(c-462.23,-67.26) USB1.A12@-468.9,-60.6 ; -471.66,-67.26 cw(c-462.23,-67.26) USB1.A12@-468.9,-60.6 ; USB1.B1@-462.61,-60.6 cw(c-469.28,-67.26) -459.85,-67.26 ; USB1.B1@-462.61,-60.6 cw(c-469.28,-67.26) -459.85,-67.26 ; USB1.B1@-462.61,-60.6 cw(c-469.28,-67.26) -459.85,-67.26 ; USB1.B1@-462.61,-60.6 cw(c-469.28,-67.26) -459.85,-67.26 ; USB1.B1@-462.61,-60.6 cw(c-469.28,-67.26) -459.85,-67.26 ; USB1.B1@-462.61,-60.6 cw(c-469.28,-67.26) -459.85,-67.26 ; -459.85,-67.26 cw(c-450.42,-67.26) USB1.B1@-457.09,-60.6 ; -459.85,-67.26 cw(c-450.42,-67.26) USB1.B1@-457.09,-60.6 ; -459.85,-67.26 cw(c-450.42,-67.26) USB1.B1@-457.09,-60.6 ; -459.85,-67.26 cw(c-450.42,-67.26) USB1.B1@-457.09,-60.6 ; -459.85,-67.26 cw(c-450.42,-67.26) USB1.B1@-457.09,-60.6 ; -459.85,-67.26 cw(c-450.42,-67.26) USB1.B1@-457.09,-60.6 ; U3.3@-267.92,-227.67 ccw(c-274.74,-220.84) -265.09,-220.84 ; U3.3@-267.92,-227.67 ccw(c-274.74,-220.84) -265.09,-220.84 ; U3.3@-267.92,-227.67 ccw(c-274.74,-220.84) -265.09,-220.84 ; U3.3@-267.92,-227.67 ccw(c-274.74,-220.84) -265.09,-220.84 ; U3.3@-267.92,-227.67 ccw(c-274.74,-220.84) -265.09,-220.84 ; U3.3@-267.92,-227.67 ccw(c-274.74,-220.84) -265.09,-220.84 ; -265.09,-220.84 ccw(c-255.43,-220.84) U3.3@-262.26,-227.67 ; -265.09,-220.84 ccw(c-255.43,-220.84) U3.3@-262.26,-227.67 ; -265.09,-220.84 ccw(c-255.43,-220.84) U3.3@-262.26,-227.67 ; -265.09,-220.84 ccw(c-255.43,-220.84) U3.3@-262.26,-227.67 ; -265.09,-220.84 ccw(c-255.43,-220.84) U3.3@-262.26,-227.67 ; -265.09,-220.84 ccw(c-255.43,-220.84) U3.3@-262.26,-227.67 ; D1.3@-261.71,-758.47 cw(c-285.21,-785) -249.77,-785 ; D1.3@-261.71,-758.47 cw(c-285.21,-785) -249.77,-785 ; D1.3@-261.71,-758.47 cw(c-285.21,-785) -249.77,-785 ; D1.3@-261.71,-758.47 cw(c-285.21,-785) -249.77,-785 ; D1.3@-261.71,-758.47 cw(c-285.21,-785) -249.77,-785 ; D1.3@-261.71,-758.47 cw(c-285.21,-785) -249.77,-785 ; D1.3@-259.06,-755.48 cw(c-277.34,-776.11) -249.77,-776.11 ; D1.3@-259.06,-755.48 cw(c-277.34,-776.11) -249.77,-776.11 ; D1.3@-259.06,-755.48 cw(c-277.34,-776.11) -249.77,-776.11 ; D1.3@-259.06,-755.48 cw(c-277.34,-776.11) -249.77,-776.11 ; D1.3@-259.06,-755.48 cw(c-277.34,-776.11) -249.77,-776.11 ; D1.3@-259.06,-755.48 cw(c-277.34,-776.11) -249.77,-776.11 ; D1.3@-256.4,-752.48 cw(c-269.46,-767.22) -249.77,-767.22 ; D1.3@-256.4,-752.48 cw(c-269.46,-767.22) -249.77,-767.22 ; D1.3@-256.4,-752.48 cw(c-269.46,-767.22) -249.77,-767.22 ; D1.3@-256.4,-752.48 cw(c-269.46,-767.22) -249.77,-767.22 ; D1.3@-256.4,-752.48 cw(c-269.46,-767.22) -249.77,-767.22 ; D1.3@-256.4,-752.48 cw(c-269.46,-767.22) -249.77,-767.22 ; -249.77,-785 cw(c-214.33,-785) D1.3@-237.84,-758.47 ; -249.77,-785 cw(c-214.33,-785) D1.3@-237.84,-758.47 ; -249.77,-785 cw(c-214.33,-785) D1.3@-237.84,-758.47 ; -249.77,-785 cw(c-214.33,-785) D1.3@-237.84,-758.47 ; -249.77,-785 cw(c-214.33,-785) D1.3@-237.84,-758.47 ; -249.77,-785 cw(c-214.33,-785) D1.3@-237.84,-758.47 ; -249.77,-776.11 cw(c-222.21,-776.11) D1.3@-240.49,-755.48 ; -249.77,-776.11 cw(c-222.21,-776.11) D1.3@-240.49,-755.48 ; -249.77,-776.11 cw(c-222.21,-776.11) D1.3@-240.49,-755.48 ; -249.77,-776.11 cw(c-222.21,-776.11) D1.3@-240.49,-755.48 ; -249.77,-776.11 cw(c-222.21,-776.11) D1.3@-240.49,-755.48 ; -249.77,-776.11 cw(c-222.21,-776.11) D1.3@-240.49,-755.48 ; -249.77,-767.22 cw(c-230.08,-767.22) D1.3@-243.14,-752.48 ; -249.77,-767.22 cw(c-230.08,-767.22) D1.3@-243.14,-752.48 ; -249.77,-767.22 cw(c-230.08,-767.22) D1.3@-243.14,-752.48 ; -249.77,-767.22 cw(c-230.08,-767.22) D1.3@-243.14,-752.48 ; -249.77,-767.22 cw(c-230.08,-767.22) D1.3@-243.14,-752.48 ; -249.77,-767.22 cw(c-230.08,-767.22) D1.3@-243.14,-752.48 ; -228.16,-544.33 cw(c-241.55,-557.72) C1.1@-222.61,-557.72 ; -228.16,-544.33 cw(c-241.55,-557.72) C1.1@-222.61,-557.72 ; -228.16,-544.33 cw(c-241.55,-557.72) C1.1@-222.61,-557.72 ; -228.16,-544.33 cw(c-241.55,-557.72) C1.1@-222.61,-557.72 ; -228.16,-544.33 cw(c-241.55,-557.72) C1.1@-222.61,-557.72 ; -228.16,-544.33 cw(c-241.55,-557.72) C1.1@-222.61,-557.72 ; C1.1@-223.9,-552.91 ccw(c-214.39,-550.36) C1.1@-217.39,-559.74 ; C1.1@-223.9,-552.91 ccw(c-214.39,-550.36) C1.1@-217.39,-559.74 ; C1.1@-223.9,-552.91 ccw(c-214.39,-550.36) C1.1@-217.39,-559.74 ; C1.1@-223.9,-552.91 ccw(c-214.39,-550.36) C1.1@-217.39,-559.74 ; C1.1@-223.9,-552.91 ccw(c-214.39,-550.36) C1.1@-217.39,-559.74 ; C1.1@-223.9,-552.91 ccw(c-214.39,-550.36) C1.1@-217.39,-559.74 ; C1.1@-223.9,-552.91 ccw(c-214.39,-550.36) C1.1@-217.39,-559.74 ; C1.1@-223.9,-552.91 ccw(c-214.39,-550.36) C1.1@-217.39,-559.74 ; C1.1@-223.9,-552.91 ccw(c-214.39,-550.36) C1.1@-217.39,-559.74 ; C1.1@-223.9,-552.91 ccw(c-214.39,-550.36) C1.1@-217.39,-559.74 ; C1.1@-223.9,-552.91 ccw(c-214.39,-550.36) C1.1@-217.39,-559.74 ; C1.1@-223.9,-552.91 ccw(c-214.39,-550.36) C1.1@-217.39,-559.74 ; C1.1@-223.9,-552.91 ccw(c-214.39,-550.36) C1.1@-217.39,-559.74 ; C1.1@-223.9,-552.91 ccw(c-214.39,-550.36) C1.1@-217.39,-559.74 ; C1.1@-223.9,-552.91 ccw(c-214.39,-550.36) C1.1@-217.39,-559.74 ; -223.41,-549.08 ccw(c-216.74,-542.41) C1.1@-216.74,-551.84 ; -223.41,-549.08 ccw(c-216.74,-542.41) C1.1@-216.74,-551.84 ; -223.41,-549.08 ccw(c-216.74,-542.41) C1.1@-216.74,-551.84 ; -223.41,-549.08 ccw(c-216.74,-542.41) C1.1@-216.74,-551.84 ; -223.41,-549.08 ccw(c-216.74,-542.41) C1.1@-216.74,-551.84 ; -223.41,-549.08 ccw(c-216.74,-542.41) C1.1@-216.74,-551.84 ; C1.1@-221.33,-551.16 cw(c-227.89,-557.72) C1.1@-218.61,-557.72 ; C1.1@-221.33,-551.16 cw(c-227.89,-557.72) C1.1@-218.61,-557.72 ; C1.1@-221.33,-551.16 cw(c-227.89,-557.72) C1.1@-218.61,-557.72 ; C1.1@-221.33,-551.16 cw(c-227.89,-557.72) C1.1@-218.61,-557.72 ; C1.1@-221.33,-551.16 cw(c-227.89,-557.72) C1.1@-218.61,-557.72 ; C1.1@-221.33,-551.16 cw(c-227.89,-557.72) C1.1@-218.61,-557.72 ; v1(-204.77,-140) -187.06,-157.71 ; -152.36,-160.07 cw(c-148.72,-173.65) C8.2@-140.27,-162.41 ; -152.36,-160.07 cw(c-148.72,-173.65) C8.2@-140.27,-162.41 ; -152.36,-160.07 cw(c-148.72,-173.65) C8.2@-140.27,-162.41 ; -152.36,-160.07 cw(c-148.72,-173.65) C8.2@-140.27,-162.41 ; -152.36,-160.07 cw(c-148.72,-173.65) C8.2@-140.27,-162.41 ; -150.93,-157.71 cw(c-150.93,-171.89) C8.2@-140.9,-161.87 ; -150.93,-157.71 ccw(c-150.93,-143.53) C8.2@-140.9,-153.56 ; -150.93,-157.71 cw(c-150.93,-171.89) C8.2@-140.9,-161.87 ; -150.93,-157.71 ccw(c-150.93,-143.53) C8.2@-140.9,-153.56 ; -150.93,-157.71 cw(c-150.93,-171.89) C8.2@-140.9,-161.87 ; -150.93,-157.71 ccw(c-150.93,-143.53) C8.2@-140.9,-153.56 ; -150.93,-157.71 cw(c-150.93,-171.89) C8.2@-140.9,-161.87 ; -150.93,-157.71 ccw(c-150.93,-143.53) C8.2@-140.9,-153.56 ; -150.93,-157.71 cw(c-150.93,-171.89) C8.2@-140.9,-161.87 ; -150.93,-157.71 ccw(c-150.93,-143.53) C8.2@-140.9,-153.56 ; -150.93,-157.71 ccw(c-150.93,-143.53) C8.2@-140.9,-153.56 ; -150.93,-157.71 cw(c-150.93,-171.89) C8.2@-140.9,-161.87 ; -146.78,-158.58 ccw(c-148.9,-150.7) C8.2@-141.83,-154.78 ; -146.78,-158.58 ccw(c-148.9,-150.7) C8.2@-141.83,-154.78 ; -146.78,-158.58 ccw(c-148.9,-150.7) C8.2@-141.83,-154.78 ; -146.78,-158.58 ccw(c-148.9,-150.7) C8.2@-141.83,-154.78 ; -146.78,-158.58 ccw(c-148.9,-150.7) C8.2@-141.83,-154.78 ; U1.18@-131.05,-426.4 ccw(c-136.04,-421.41) -128.98,-421.41 ; U1.18@-131.05,-426.4 ccw(c-136.04,-421.41) -128.98,-421.41 ; U1.18@-131.05,-426.4 ccw(c-136.04,-421.41) -128.98,-421.41 ; U1.18@-131.05,-426.4 ccw(c-136.04,-421.41) -128.98,-421.41 ; U1.18@-131.05,-426.4 ccw(c-136.04,-421.41) -128.98,-421.41 ; U1.18@-131.05,-426.4 ccw(c-136.04,-421.41) -128.98,-421.41 ; -128.98,-421.41 ccw(c-121.93,-421.41) U1.18@-126.92,-426.4 ; -128.98,-421.41 ccw(c-121.93,-421.41) U1.18@-126.92,-426.4 ; -128.98,-421.41 ccw(c-121.93,-421.41) U1.18@-126.92,-426.4 ; -128.98,-421.41 ccw(c-121.93,-421.41) U1.18@-126.92,-426.4 ; -128.98,-421.41 ccw(c-121.93,-421.41) U1.18@-126.92,-426.4 ; -128.98,-421.41 ccw(c-121.93,-421.41) U1.18@-126.92,-426.4 ; -128.98,-414.21 -116.61,-401.84